# Altium PCB BBB_Cape_2_Layer_template.PcbDoc
Units mm, origin at the board's own origin, x right, y up, seen from the top; angles counter-clockwise.
Board outline 86.36 x 54.61 mm, 4 copper layers (Top, InternalPlane1, InternalPlane2, Bottom), stack 0.946 mm thick; 6 components, 82 nets, 92 pads, 0 vias.
Unrouted connection lines stored in the file: 10.
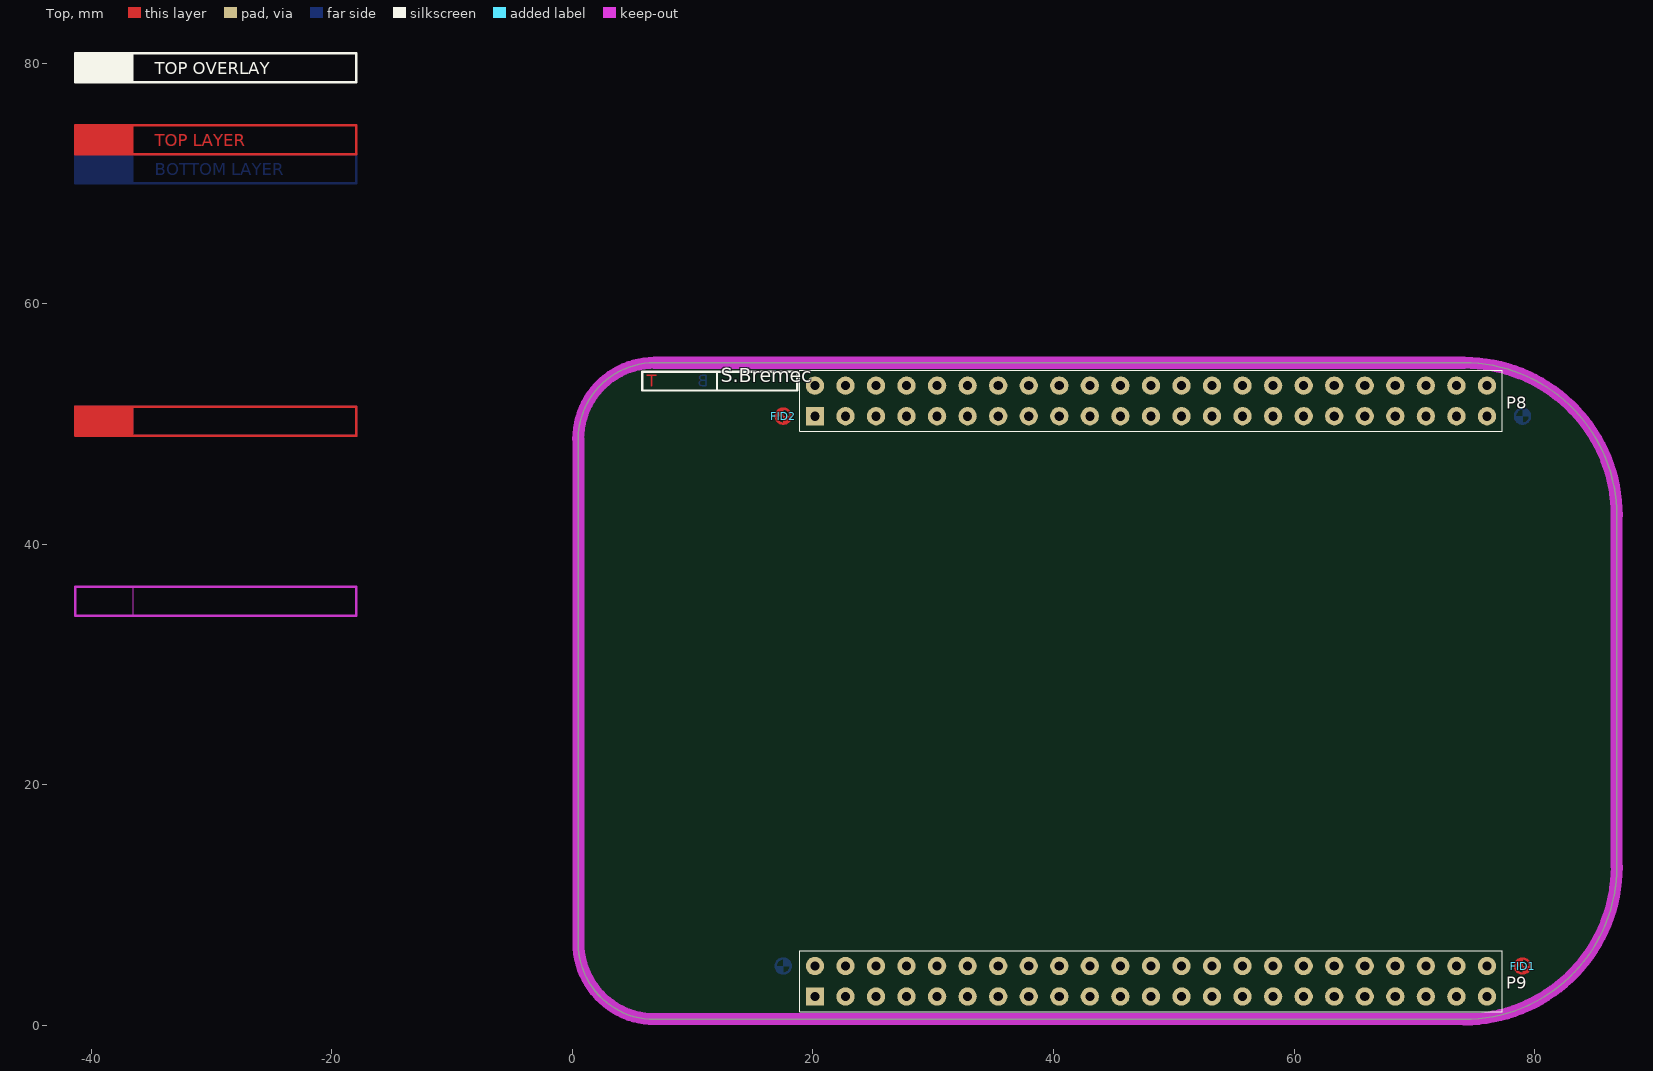
[diagram p0: Top view]
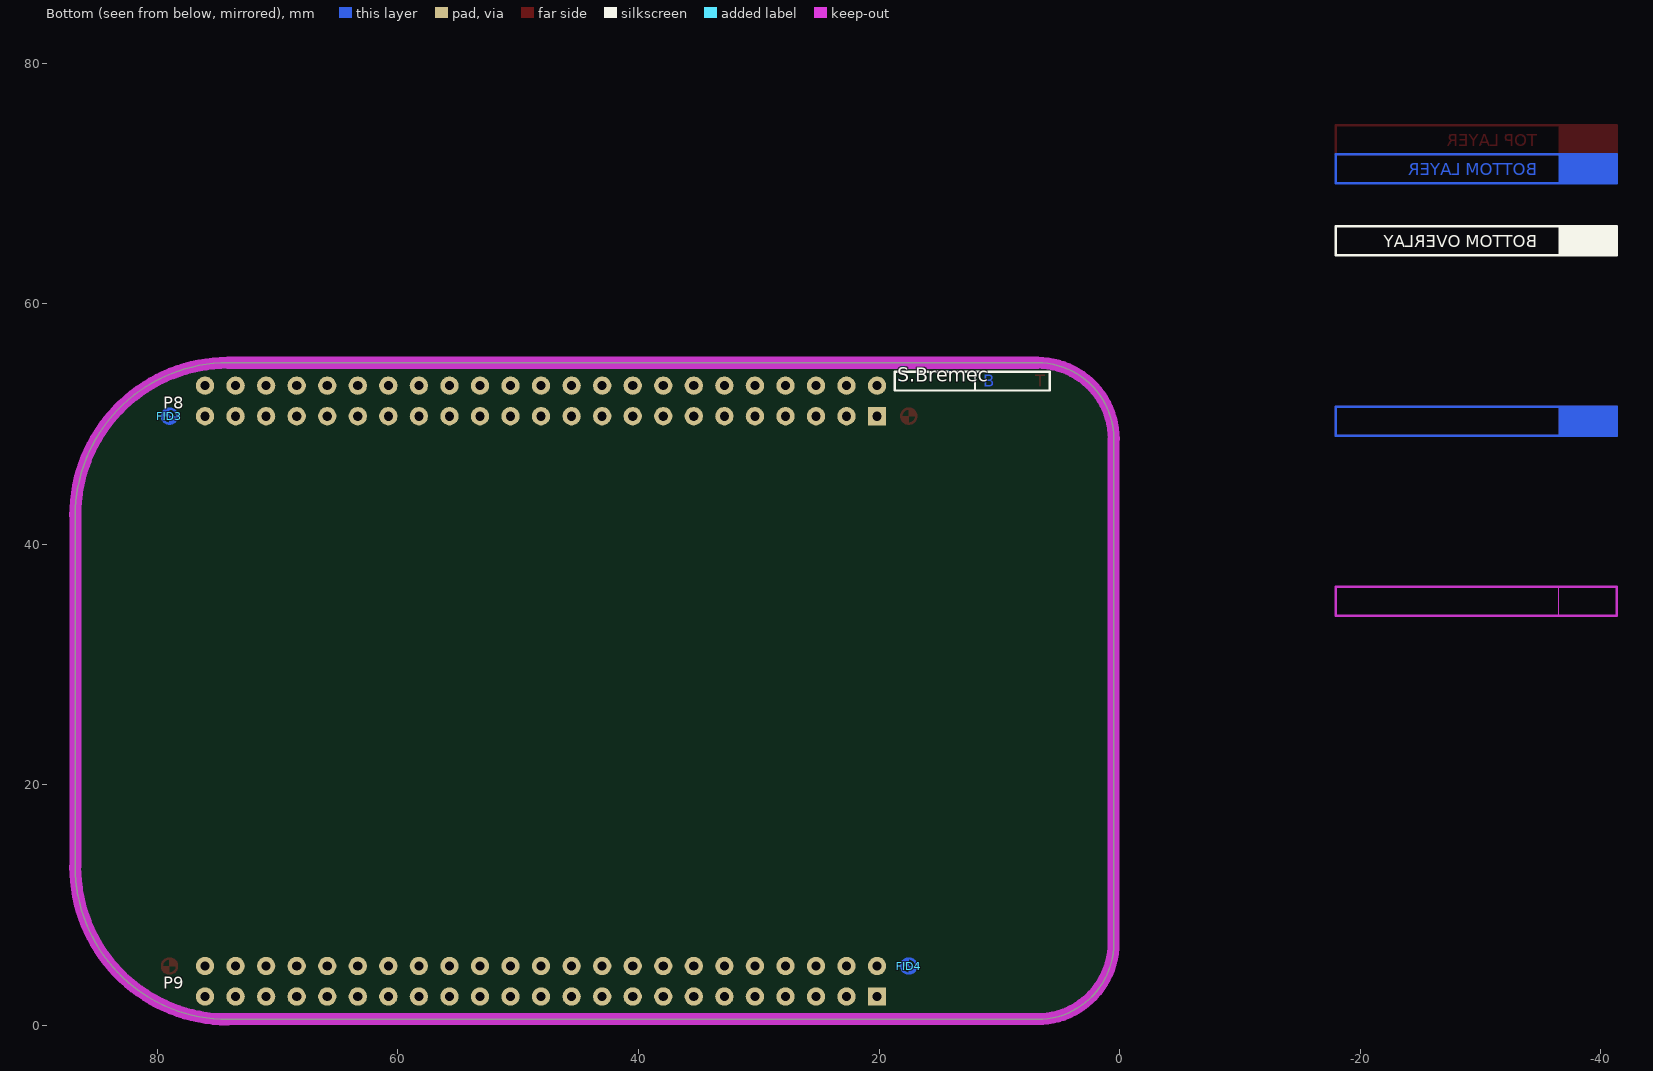
[diagram p1: Bottom view, seen from below]
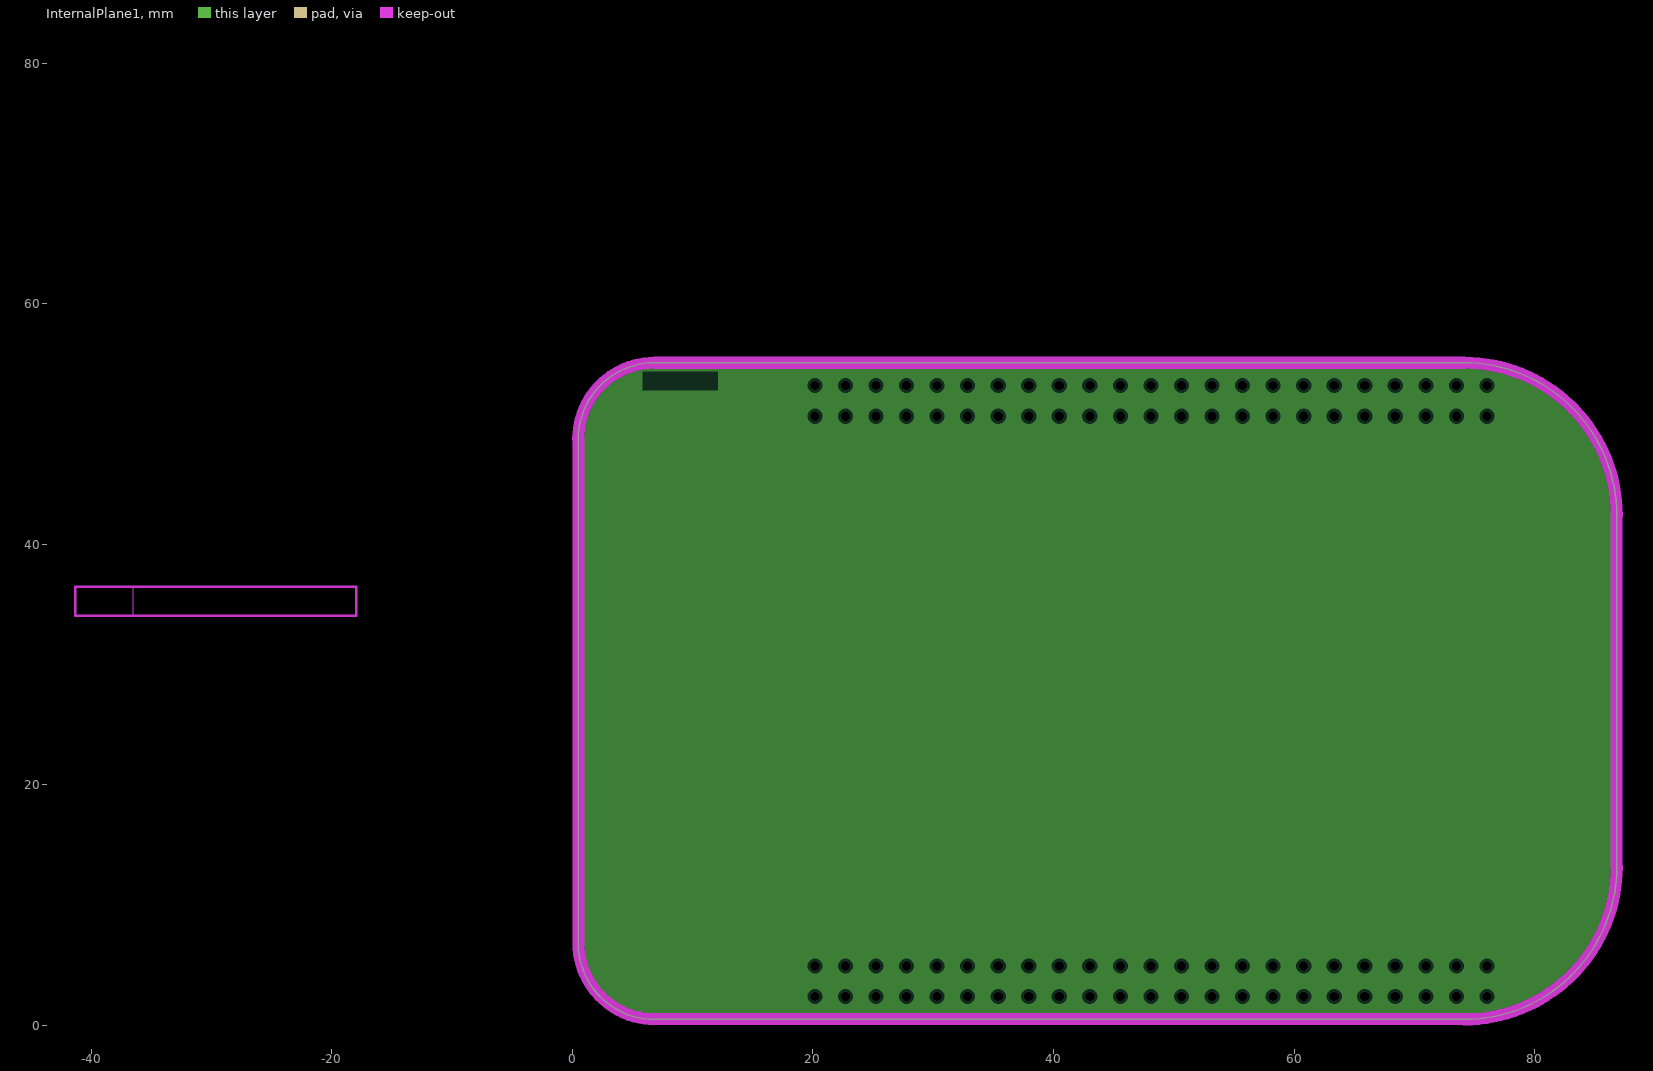
[diagram p2: InternalPlane1, clearances drawn from the general rule]
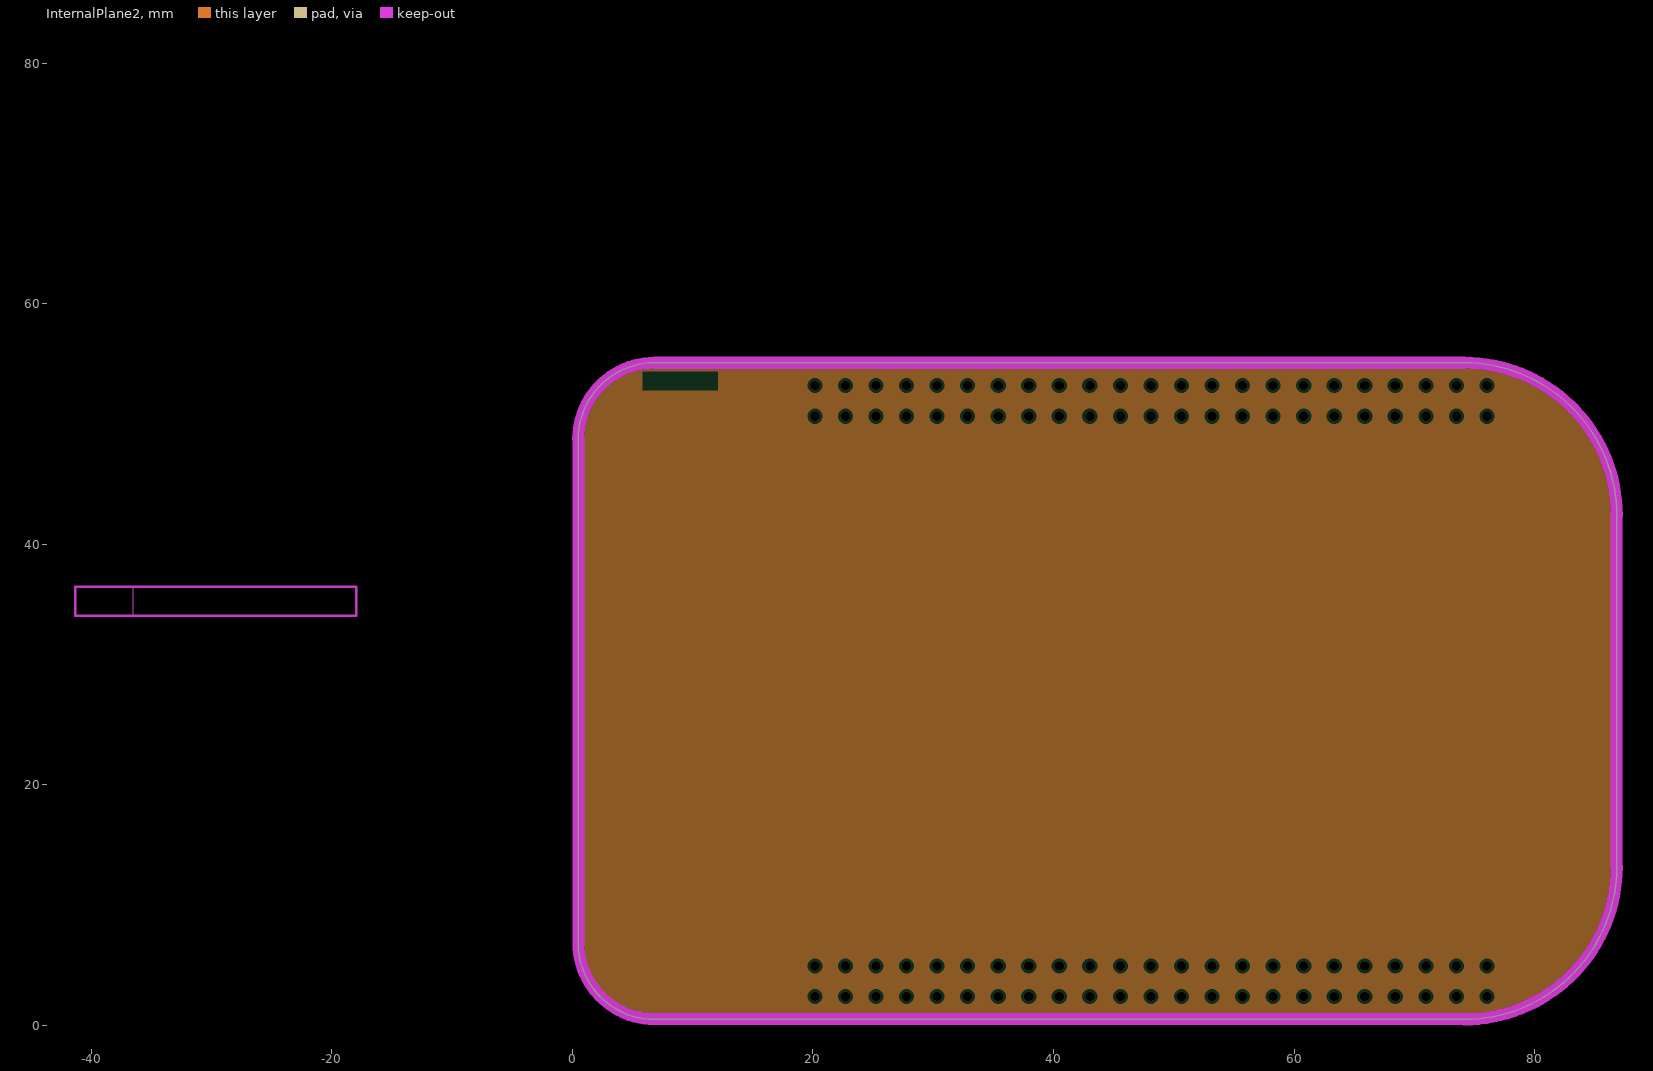
[diagram p3: InternalPlane2, clearances drawn from the general rule]

## Layer stack, top to bottom
Top: signal copper 0.035
Dielectric: prepreg 0.2, FR-4, Dk 4.8
InternalPlane1: plane copper 0.018
Dielectric: dielectric 0.32, FR-4, Dk 4.8
InternalPlane2: plane copper 0.018
Dielectric: dielectric 0.32, FR-4, Dk 4.8
Bottom: signal copper 0.035

## Board outline
0.478,6.828 ccw(c6.828,6.828) 6.828,0.478 74.138,0.478 ccw(c74.138,13.178) 86.838,13.178 86.838,42.388 ccw(c74.138,42.388) 74.138,55.088 6.828,55.088 ccw(c6.828,48.738) 0.478,48.738

## Design rules (kind name [scope] priority, off if disabled: settings)
AssemblyTestPointUsage [All] p1 off:
AssemblyTestpoint [All] p1 off: testpointundercomponent=TRUE minsize=1.016 maxsize=2.54 preferedsize=1.524 minholesize=0 maxholesize=1.016 preferedholesize=0.813 testpointgrid=0.025 usegrid=TRUE gridtolerance=0 allowsidetop=TRUE allowsidebottom=TRUE
Clearance ClearanceViaPad [IsVia vs IsPad] p1: gap=0.1
Clearance ClearanceGNDpolygons [InPolygonClass('GNDpolygons')] p2: gap=0.3
Clearance ClearanceTechnology [All] p3: gap=0.2
FabricationTestPointUsage [All] p1 off: valid=0 allowmultiple=FALSE
FabricationTestpoint [All] p1 off: side=3 testpointundercomponent=TRUE minsize=1.016 maxsize=2.54 preferedsize=1.524 minholesize=0 maxholesize=1.016 preferedholesize=0.813 testpointgrid=0.025 allowsidetop=TRUE allowsidebottom=TRUE usegrid=TRUE gridtolerance=0
HoleSize [All] p1: absolutevalues=TRUE maxlimit=6.3 minlimit=0.3 maxpercent=80.000 minpercent=20.000
HoleToHoleClearance [All] p1: gap=0.3 allowstackedmicrovias=TRUE
MinimumAnnularRing [All] p1: minimumring=0.2
MinimumSolderMaskSliver [All] p1: minsoldermaskwidth=0
PlaneClearance [All] p1: clearance=0.25
PlaneConnect [All] p1: planeconnectstyle=Relief reliefexpansion=0.508 reliefentries=4 reliefconductorwidth=0.254 reliefairgap=0.254
PolygonConnect PolygonConnectVia [IsVia] p1: connectstyle=Direct reliefconductorwidth=0.4 reliefentries=4 polygonreliefangle="90 Angle"
PolygonConnect PolygonConnectBigPads [(ObjectKind = 'Pad') And ((AsMM(PadXSize_AllLayers) > 2) Or (AsMM(PadYSize_AllLayers) > 2))] p2: connectstyle=Direct reliefconductorwidth=0.4 reliefentries=4 polygonreliefangle="90 Angle"
PolygonConnect PolygonConnectGeneral [All] p3: connectstyle=Relief reliefconductorwidth=0.3 reliefentries=4 polygonreliefangle="90 Angle"
RoomDefinition BBB_Cape_template [InComponentClass('BBB_Cape_template')] p1: confinementstyle=ConfineIn formatcopy=TRUE lockcomponents=FALSE outline -0.058,-0.04 87.26,-0.04 87.3,-0.075 87.3,55.61 87.166,55.725 86.661,55.294 -0.3,55.294
RoutingVias [All] p1: holewidth=0.6 width=1.2 viastyle="Through Hole" minholewidth=0.3 minwidth=0.7 maxholewidth=0.9 maxwidth=1.4
SilkToSilkClearance [All] p1: silktosilkclearance=0.15
SilkscreenOverComponentPads [IsPad] p1: minsilkscreentomaskgap=0.1
SolderMaskExpansion [All] p1: expansion=0.1
Width WidthTechnology [All] p1: maxlimit=3 minlimit=0.16 preferedwidth=0.6 minimp=50.000000 maximp=50.000000 favimp=50.000000
17 further rules are at their usual default settings.

## Components (designator, comment, footprint, x,y, rotation, side; value= is the part's Value field where it differs from the comment)
FID1 "MECH-Fiducial" S_Fiducial 79,4.923 r90 top
FID2 "MECH-Fiducial" S_Fiducial 17.525,50.643 r90 top
FID3 "MECH-Fiducial" S_Fiducial 79,50.643 r270 bottom
FID4 "MECH-Fiducial" S_Fiducial 17.525,4.923 r270 bottom
P8 "FEMALE HEADER 2x23" HEADER23X2 48.103,51.913 r0 top
P9 "FEMALE HEADER 2x23" HEADER23X2 48.103,3.653 r0 top

## Footprints (in the part's own frame and the unit in brackets; to place one, negate y for a bottom-side part, rotate by r counter-clockwise, add the part's x,y. Pads: shape width x height; smd on the part's side, far side on the other; paste and mask are expansions set on the pad)
HEADER23X2 [mil] "HEADER23X2"
  rect 60x60 hole 30 mask+2: 1(-1100,-50)
  round 60 hole 30 mask+2: 2(-1100,50) 3(-1000,-50) 4(-1000,50) 5(-900,-50) 6(-900,50) 7(-800,-50) 8(-800,50) 9(-700,-50) 10(-700,50) 11(-600,-50) 12(-600,50) 13(-500,-50) 14(-500,50) 15(-400,-50) 16(-400,50) 17(-300,-50) 18(-300,50) 19(-200,-50) 20(-200,50) 21(-100,-50) 22(-100,50) 23(0,-50) 24(0,50) 25(100,-50) 26(100,50) 27(200,-50) 28(200,50) 29(300,-50) 30(300,50) 31(400,-50) 32(400,50) 33(500,-50) 34(500,50) 35(600,-50) 36(600,50) 37(700,-50) 38(700,50) 39(800,-50) 40(800,50) 41(900,-50) 42(900,50) 43(1000,-50) 44(1000,50) 45(1100,-50) 46(1100,50)
  silkscreen extent -1150,-100 1150,100
S_Fiducial [mm] "Fiducial"
  Top region: 0,-0.625 -0.375,-0.5 -0.625,-0.25 -0.625,0 0,0
  Top region: 0.625,0 0,0 0,0.625 0.375,0.5 0.625,0.25
  Top lines w0.203: 0,0.625 cw(c0,0) 0,-0.625 cw(c0,0) 0,0.625

## Part data
FID1 FID2 FID3 FID4: "Fiducial"
P8 P9: library part HDR_46_F_2_0.1_0.1, "CONN HEADER FMAL 46PS.1\" DL GOLD"

## Nets (pads, with @x,y where several pads share a name; then routed paths per layer and width w, separated by ;. In a path a pad name is that pad's centre, name@x,y a point inside that pad or via, vN(x,y) a via of type N, cw(c..) or ccw(c..) an arc to the next point about the centre after c; other vN are vias at no path point)
AIN0: P9.39
AIN1: P9.40
AIN2: P9.37
AIN3: P9.38
AIN4: P9.33
AIN5: P9.36
AIN6: P9.35
CLKOUT2: P9.41
DGND: P8.1 P8.2 P9.1 P9.2 P9.43 P9.44 P9.45 P9.46
EHRPWM1A: P9.14
EHRPWM1B: P9.16
EHRPWM2A: P8.19
EHRPWM2B: P8.13
GNDA_ADC: P9.34
GPIO0_7: P9.42
GPIO0_26: P8.14
GPIO0_27: P8.17
GPIO1_12: P8.12
GPIO1_13: P8.11
GPIO1_14: P8.16
GPIO1_15: P8.15
GPIO1_16: P9.15
GPIO1_17: P9.23
GPIO1_28: P9.12
GPIO1_29: P8.26
GPIO2_1: P8.18
GPIO3_19: P9.27
GPIO3_21: P9.25
I2C1_SCL: P9.17
I2C1_SDA: P9.18
I2C2_SCL: P9.19
I2C2_SDA: P9.20
LCD_DATA0: P8.45
LCD_DATA1: P8.46
LCD_DATA2: P8.43
LCD_DATA3: P8.44
LCD_DATA4: P8.41
LCD_DATA5: P8.42
LCD_DATA6: P8.39
LCD_DATA7: P8.40
LCD_DATA8: P8.37
LCD_DATA9: P8.38
LCD_DATA10: P8.36
LCD_DATA11: P8.34
LCD_DATA12: P8.35
LCD_DATA13: P8.33
LCD_DATA14: P8.31
LCD_DATA15: P8.32
LCD_DE: P8.30
LCD_HSYNC: P8.29
LCD_PCLK: P8.28
LCD_VSYNC: P8.27
MMC1_CLK: P8.21
MMC1_CMD: P8.20
MMC1_DAT0: P8.25
MMC1_DAT1: P8.24
MMC1_DAT2: P8.5
MMC1_DAT3: P8.6
MMC1_DAT4: P8.23
MMC1_DAT5: P8.22
MMC1_DAT6: P8.3
MMC1_DAT7: P8.4
PWR_BUT: P9.9
SPI1_CS0: P9.28
SPI1_D0: P9.29
SPI1_D1: P9.30
SPI1_SCLK: P9.31
SYS_5V: P9.7 P9.8
SYS_RESETN: P9.10
TIMER4: P8.7
TIMER5: P8.9
TIMER6: P8.10
TIMER7: P8.8
UART1_RXD: P9.26
UART1_TXD: P9.24
UART2_RXD: P9.22
UART2_TXD: P9.21
UART4_RXD: P9.11
UART4_TXD: P9.13
VDD_3V3B: P9.3 P9.4
VDD_5V: P9.5 P9.6
VDD_ADC: P9.32
copper on no net: | length 103.1
  Top w0.2: -41.342,72.414 -41.342,74.827 -17.974,74.827 -17.974,72.414 -41.342,72.414
  Bottom w0.2: -41.342,70.001 -41.342,72.414 -17.974,72.414 -17.974,70.001 -41.342,70.001

## Polygon pours and split planes (outlines as drawn)
no net on InternalPlane1 (split plane): 75.246,55.052 76.346,54.907 77.428,54.667 78.486,54.333 79.511,53.909 80.494,53.397 81.43,52.801 82.31,52.126 83.127,51.377 83.876,50.559 84.551,49.679 85.147,48.744 85.659,47.76 86.084,46.736 86.417,45.678 86.657,44.595 86.802,43.496 86.85,42.388 86.838,13.178 86.85,13.178 86.802,12.07 86.657,10.97 86.417,9.888 86.084,8.83 85.659,7.805 85.147,6.822 84.551,5.886 83.876,5.007 83.127,4.189 82.31,3.44 81.43,2.765 80.494,2.169 79.511,1.657 78.486,1.232 77.428,0.899 76.346,0.659 75.246,0.514 74.138,0.466 6.828,0.478 6.828,0.468 6.116,0.508 5.413,0.627 4.728,0.825 4.069,1.098 3.445,1.443 2.863,1.855 2.331,2.331 1.856,2.862 1.443,3.444 1.098,4.068 0.825,4.727 0.628,5.413 0.508,6.116 0.468,6.828 0.478,48.738 0.468,48.738 0.508,49.45 0.628,50.153 0.825,50.838 1.098,51.497 1.443,52.122 1.856,52.703 2.331,53.235 2.863,53.71 3.445,54.123 4.069,54.468 4.728,54.741 5.413,54.938 6.116,55.058 6.828,55.098 74.138,55.088 74.138,55.1
no net on InternalPlane2 (split plane): 75.246,55.052 76.346,54.907 77.428,54.667 78.486,54.333 79.511,53.909 80.494,53.397 81.43,52.801 82.31,52.126 83.127,51.377 83.876,50.559 84.551,49.679 85.147,48.744 85.659,47.76 86.084,46.736 86.417,45.678 86.657,44.595 86.802,43.496 86.85,42.388 86.838,13.178 86.85,13.178 86.802,12.07 86.657,10.97 86.417,9.888 86.084,8.83 85.659,7.805 85.147,6.822 84.551,5.886 83.876,5.007 83.127,4.189 82.31,3.44 81.43,2.765 80.494,2.169 79.511,1.657 78.486,1.232 77.428,0.899 76.346,0.659 75.246,0.514 74.138,0.466 6.828,0.478 6.828,0.468 6.116,0.508 5.413,0.627 4.728,0.825 4.069,1.098 3.445,1.443 2.863,1.855 2.331,2.331 1.856,2.862 1.443,3.444 1.098,4.068 0.825,4.727 0.628,5.413 0.508,6.116 0.468,6.828 0.478,48.738 0.468,48.738 0.508,49.45 0.628,50.153 0.825,50.838 1.098,51.497 1.443,52.122 1.856,52.703 2.331,53.235 2.863,53.71 3.445,54.123 4.069,54.468 4.728,54.741 5.413,54.938 6.116,55.058 6.828,55.098 74.138,55.088 74.138,55.1

## Keep-outs
Keep-Out Layer:
  rectangle: -41.342,34.035 -36.516,36.448
  lines w0.2: -41.342,34.035 -41.342,36.448 -17.974,36.448 -17.974,34.035 -41.342,34.035
  lines w1: 0.478,48.738 cw(c6.828,48.738) 6.828,55.088 ; 0.49,6.8 0.49,48.75 ; 0.5,6.85 ccw(c6.85,6.85) 6.85,0.5 ; 6.675,0.5 75.125,0.5 ; 6.828,55.085 74.138,55.085 ; 74.138,0.478 ccw(c74.138,13.178) 86.838,13.178 ; 74.138,55.088 cw(c74.138,42.388) 86.838,42.388 ; 86.825,13.178 86.825,43.05
  text "ROUTING KEEPOUT LAYER" at -34.738,34.721 h0.89

## Other copper
Top:
  rectangle: -41.342,72.414 -36.516,74.827
  pour cut-out: 5.855,54.322 12.068,54.322 12.075,54.315 12.075,52.783 5.888,52.783 5.855,52.75
  text "TOP LAYER" at -34.738,73.1 h1.02
  text "T" at 6.161,53.075 h1
Bottom:
  rectangle: -41.342,70.001 -36.516,72.414
  pour cut-out: 5.855,54.322 12.068,54.322 12.075,54.315 12.075,52.783 5.888,52.783 5.855,52.75
  text "BOTTOM LAYER" at -34.738,70.687 h1.02
  text "B" at 11.325,53.075 h1
InternalPlane1 (plane layer: these items are gaps in the copper):
  pour cut-out: 5.855,54.322 12.068,54.322 12.075,54.315 12.075,52.783 5.888,52.783 5.855,52.75
  text "1" at 7.66,53.075 h1
InternalPlane2 (plane layer: these items are gaps in the copper):
  pour cut-out: 5.855,54.322 12.068,54.322 12.075,54.315 12.075,52.783 5.888,52.783 5.855,52.75
  text "2" at 9.159,53.075 h1
Multi-Layer:
  rectangle: -41.342,49.021 -36.516,51.434
  lines w0.2: -41.342,49.021 -41.342,51.434 -17.974,51.434 -17.974,49.021 -41.342,49.021
  text "MULTILAYER" at -34.738,49.707 h1.02

## Silkscreen, mask and mechanical layers (free items; w line width, h text height)
Top Overlay:
  rectangle: -41.342,78.409 -36.516,80.822
  lines w0.2: 12.02,52.808 12.02,54.34 ; -41.342,78.409 -17.974,78.409 -17.974,80.822 -41.342,80.822 -41.342,78.409 ; 5.8,52.775 5.8,54.35 18.701,54.35 18.701,52.775 5.8,52.775
  text "TOP OVERLAY" at -34.738,79.094 h1.02
  text "S.Bremec" at 12.325,53.05 h2
Bottom Overlay:
  rectangle: -41.342,64.007 -36.516,66.42
  lines w0.2: 12.02,52.791 12.02,54.348 ; -41.342,64.007 -17.974,64.007 -17.974,66.42 -41.342,66.42 -41.342,64.007 ; 5.8,52.775 18.701,52.775 18.701,54.347 5.8,54.347 5.8,52.775
  text "BOTTOM OVERLAY" at -34.738,64.693 h1.02
  text "S.Bremec" at 18.475,53.075 h2
Top Paste:
  rectangle: -41.342,81.406 -36.516,83.819
  lines w0.2: -41.342,81.406 -41.342,83.819 -17.974,83.819 -17.974,81.406 -41.342,81.406
  text "TOP PASTE" at -34.738,82.092 h1.02
Bottom Paste:
  rectangle: -41.342,61.01 -36.516,63.423
  lines w0.2: -41.342,61.01 -41.342,63.423 -17.974,63.423 -17.974,61.01 -41.342,61.01
  text "BOTTOM PASTE" at -34.738,61.695 h1.02
Top Solder:
  rectangle: -41.342,75.411 -36.516,77.824
  lines w0.2: -41.342,75.411 -17.974,75.411 -17.974,77.824 -41.342,77.824 -41.342,75.411
  text "TOP SOLDER MASK" at -34.738,76.097 h1.02
Bottom Solder:
  rectangle: -41.342,67.004 -36.516,69.417
  lines w0.2: -41.342,67.004 -41.342,69.417 -17.974,69.417 -17.974,67.004 -41.342,67.004
  text "BOTTOM SOLDER MASK" at -34.738,67.69 h1.02
Drill Guide:
  rectangle: -41.342,58.012 -36.516,60.425
  lines w0.2: -41.342,58.012 -17.974,58.012 -17.974,60.425 -41.342,60.425 -41.342,58.012
  text "DRILL GUIDE (SLOTS)" at -34.738,58.698 h1.02
Outline:
  rectangle: -41.342,52.018 -36.516,54.431
  lines w0.1: 0.478,48.738 cw(c6.828,48.738) 6.828,55.088 ; 0.49,6.85 0.49,48.8 ; 0.5,6.85 ccw(c6.85,6.85) 6.85,0.5 ; 6.675,0.492 74.138,0.492 ; 6.828,55.085 74.138,55.085 ; 74.138,0.478 ccw(c74.138,13.178) 86.838,13.178 ; 74.138,55.088 cw(c74.138,42.388) 86.838,42.388 ; 86.835,12.675 86.835,42.388
  lines w0.2: -41.342,52.018 -17.974,52.018 -17.974,54.431 -41.342,54.431 -41.342,52.018
  lines w0.25: -39.926,112.05 90.126,112.05 ; -39.926,116.195 90.126,116.195 ; -41.45,95.5 ccw(c-40.1,95.5) -40.1,94.15 90.3,94.15 ccw(c90.3,95.5) 91.65,95.5 91.65,119.85 ccw(c90.3,119.85) 90.3,121.2 -40.1,121.2 ccw(c-40.1,119.85) -41.45,119.85 -41.45,95.5
  lines w0.254: -44.132,129.077 68.75,129.077 68.75,123.375 ; -44.132,134.202 68.75,134.202 68.75,128.511 ; -39.056,86.105 -19.498,86.105 ; 32.75,123.375 32.75,129.077 ; 68.75,134.2 94.725,134.2 ; -44.132,123.375 -44.132,141.425 94.75,141.425 94.75,123.375 -44.132,123.375 ; -43.882,31.825 -43.882,91.693 -15.18,91.693 -15.18,31.825 -43.882,31.825
  text ".GlobalProjectName" at -32.375,136.35 h3
  text "Project:" at -42.656,136.191 h1.2
  text ".GlobalProjectTeam" at -34.9,130.675 h2.03
  text ".GlobalProjectLink" at 34.9,130.675 h2.03
  text "Team:" at -42.656,130.6 h1.2
  text "More info:" at 25.1,130.6 h1.2
  text ".GlobalProjectRevision" at 74.75,125.375 h7
  text ".Pcb_File_Name_No_Path" at -28.25,125.309 h2.03
  text "PCB file name:" at -42.656,125.282 h1.2
  text ".GlobalRevisionDate" at 47.869,124.882 h2.03
  text "Rev:" at 70.75,124.882 h1.2
  text "Revision date:" at 34.694,124.782 h1.2
  text "Layer Stack Up Detail for: 4 Layer Seed Fusion template.PcbDoc" at -39.926,117.303 h1.9
  text "Layer" at -39.926,114.645 h0.95
  text "Gerber" at -12.358,114.645 h0.95
  text "Copper" at 1.937,114.645 h0.95
  text "Dielectric" at 17.784,114.645 h0.95
  text "Dielectric" at 34.296,114.645 h0.95
  text "Dielectric" at 55.116,114.645 h0.95
  text "Dielectric" at 71.627,114.645 h0.95
  text "Name" at -39.926,112.745 h0.95
  text "Document" at -12.358,112.745 h0.95
  text "Thickness" at 1.937,112.745 h0.95
  text "Height" at 17.784,112.745 h0.95
  text "Material" at 34.296,112.745 h0.95
  text "Constant" at 55.116,112.745 h0.95
  text "Type" at 71.627,112.745 h0.95
  text "Top Solder Mask" at -39.926,109.993 h1.35
  text "(.GTS)" at -12.358,109.993 h1.35
  text "0.0102mm" at 17.784,109.993 h1.35
  text "Solder Resist" at 34.296,109.993 h1.35
  text "3.50" at 55.116,109.993 h1.35
  text "Top" at -39.926,106.128 h1.35
  text "(.GTL)" at -12.358,106.128 h1.35
  text "0.035mm" at 1.937,106.128 h1.35
  text "0.2mm" at 17.784,104.196 h1.35
  text "FR-4" at 34.296,104.196 h1.35
  text "4.80" at 55.116,104.196 h1.35
  text "Core" at 71.627,104.196 h1.35
  text "Bottom" at -39.926,102.263 h1.35
  text "(.GBL)" at -12.358,102.263 h1.35
  text "0.035mm" at 1.937,102.263 h1.35
  text "Bottom Solder Mask" at -39.926,98.398 h1.35
  text "(.GBS)" at -12.358,98.398 h1.35
  text "0.0102mm" at 17.784,98.398 h1.35
  text "Solder Resist" at 34.296,98.398 h1.35
  text "3.50" at 55.116,98.398 h1.35
  text "LAYER USAGE" at -39.056,86.816 h2.03
  text "BOARD OUTLINE" at -34.738,52.704 h1.02
Dimensions:
  rectangle: -41.342,37.032 -36.516,39.445
  lines w0.2: -41.146,-10.834 -23.061,-10.834 ; -41.07,-2.782 -22.985,-2.782 ; -41.07,16.369 -22.985,16.369 ; -41.045,8.673 -22.96,8.673 ; -40.918,19.798 -22.833,19.798 ; -41.342,37.032 -17.974,37.032 -17.974,39.445 -41.342,39.445 -41.342,37.032
  lines w0.254: -42.064,-17.8 -42.064,23.583 -17.908,23.583 -17.908,-17.8 -42.064,-17.8
  text "DIMENSIONS" at -34.738,37.718 h1.02
  text "BUILD STATISTICS" at -40.816,20.586 h1.52
  text "GENERAL" at -41.019,16.877 h1.02
  text ".Net_Count" at -31.342,14.769 h1.02
  text "NETS" at -40.943,14.718 h0.89
  text ".Component_Count" at -31.342,12.686 h1.02
  text "COMPONENTS" at -40.918,12.661 h0.89
  text "PRIMITIVES" at -40.994,9.181 h1.02
  text ".Fill_Count" at -31.342,7.048 h1.02
  text "FILLS" at -40.918,7.022 h0.89
  text ".Track_Count" at -31.342,4.99 h1.02
  text "TRACKS" at -40.918,4.939 h0.89
  text ".String_Count" at -31.342,2.907 h1.02
  text "STRINGS" at -40.918,2.857 h0.89
  text ".Arc_Count" at -31.342,0.799 h1.02
  text "ARC'S" at -40.918,0.748 h0.89
  text "LANDS" at -41.019,-2.274 h1.02
  text ".Pad_Count" at -31.342,-4.408 h1.02
  text ".Pad_Count" at -31.342,-4.408 h1.02
  text "PADS" at -40.918,-4.459 h0.89
  text ".Via_Count" at -31.342,-6.491 h1.02
  text "VIA'S" at -40.892,-6.516 h0.89
  text "PRINT SCALE" at -41.095,-10.326 h1.02
  text ".Print_Scale" at -31.393,-12.485 h1.02
  text "SCALE" at -40.968,-12.51 h0.89
  text ".Print_Date" at -31.393,-14.542 h1.02
  text "PRINT DATE" at -40.943,-14.568 h0.89
  text ".Print_Time" at -31.367,-16.6 h1.02
  text "PRINT TIME" at -40.918,-16.625 h0.89
Frame:
  the board outline again, w0.025
Assembly Top:
  rectangle: -41.342,46.024 -36.516,48.437
  lines w0.2: -41.342,46.024 -41.342,48.437 -17.974,48.437 -17.974,46.024 -41.342,46.024
  text "TOP ASSEMBLY" at -34.738,46.709 h1.02
Assembly Bot:
  rectangle: -41.342,43.026 -36.516,45.439
  lines w0.2: -41.342,43.026 -41.342,45.439 -17.974,45.439 -17.974,43.026 -41.342,43.026
  text "BOTTOM ASSEMBLY" at -34.738,43.712 h1.02
Drill Drawing:
  rectangle: -41.342,55.015 -36.516,57.428
  lines w0.025: -2.19,84.148 -1.555,84.466 -0.92,84.148 -1.237,84.783 -0.92,85.418 -1.555,85.101 -2.19,85.418 -1.872,84.783 -2.19,84.148
  lines w0.2: -41.342,55.015 -41.342,57.428 -17.974,57.428 -17.974,55.015 -41.342,55.015
  lines w0.381: -3.92,83.005 94.606,83.005 ; -3.92,86.815 94.606,86.815 ; 10.072,79.195 10.072,90.625 ; 27.797,79.195 27.797,90.625 ; 61.975,79.195 61.975,90.625 ; 74.824,79.195 74.824,90.625 ; -3.92,79.195 94.606,79.195 94.606,90.625 -3.92,90.625 -3.92,79.195
  text "Symbol" at -1.634,87.958 h1.83
  text "Hit Count" at 11.215,87.958 h1.83
  text "Finished Hole Size" at 28.94,87.958 h1.83
  text "Plated" at 63.118,87.958 h1.83
  text "Hole Type" at 75.967,87.958 h1.83
  text "2" at 11.215,84.148 h1.52
  text "3.0mm" at 28.94,84.148 h1.52
  text "PTH" at 63.118,84.148 h1.52
  text "Round" at 75.967,84.148 h1.52
  text "2 Total" at 11.215,80.338 h1.52
  text "DRILL DRAWING" at -34.738,55.701 h1.02

## Dimensions
74.138,55.085 to 74.138,0.492 on Drill Drawing
0.49,6.85 to 86.835,12.675 on Drill Drawing